# Altium PCB volt_sensor_breakout.PcbDoc (part 2 of 2) (continued)
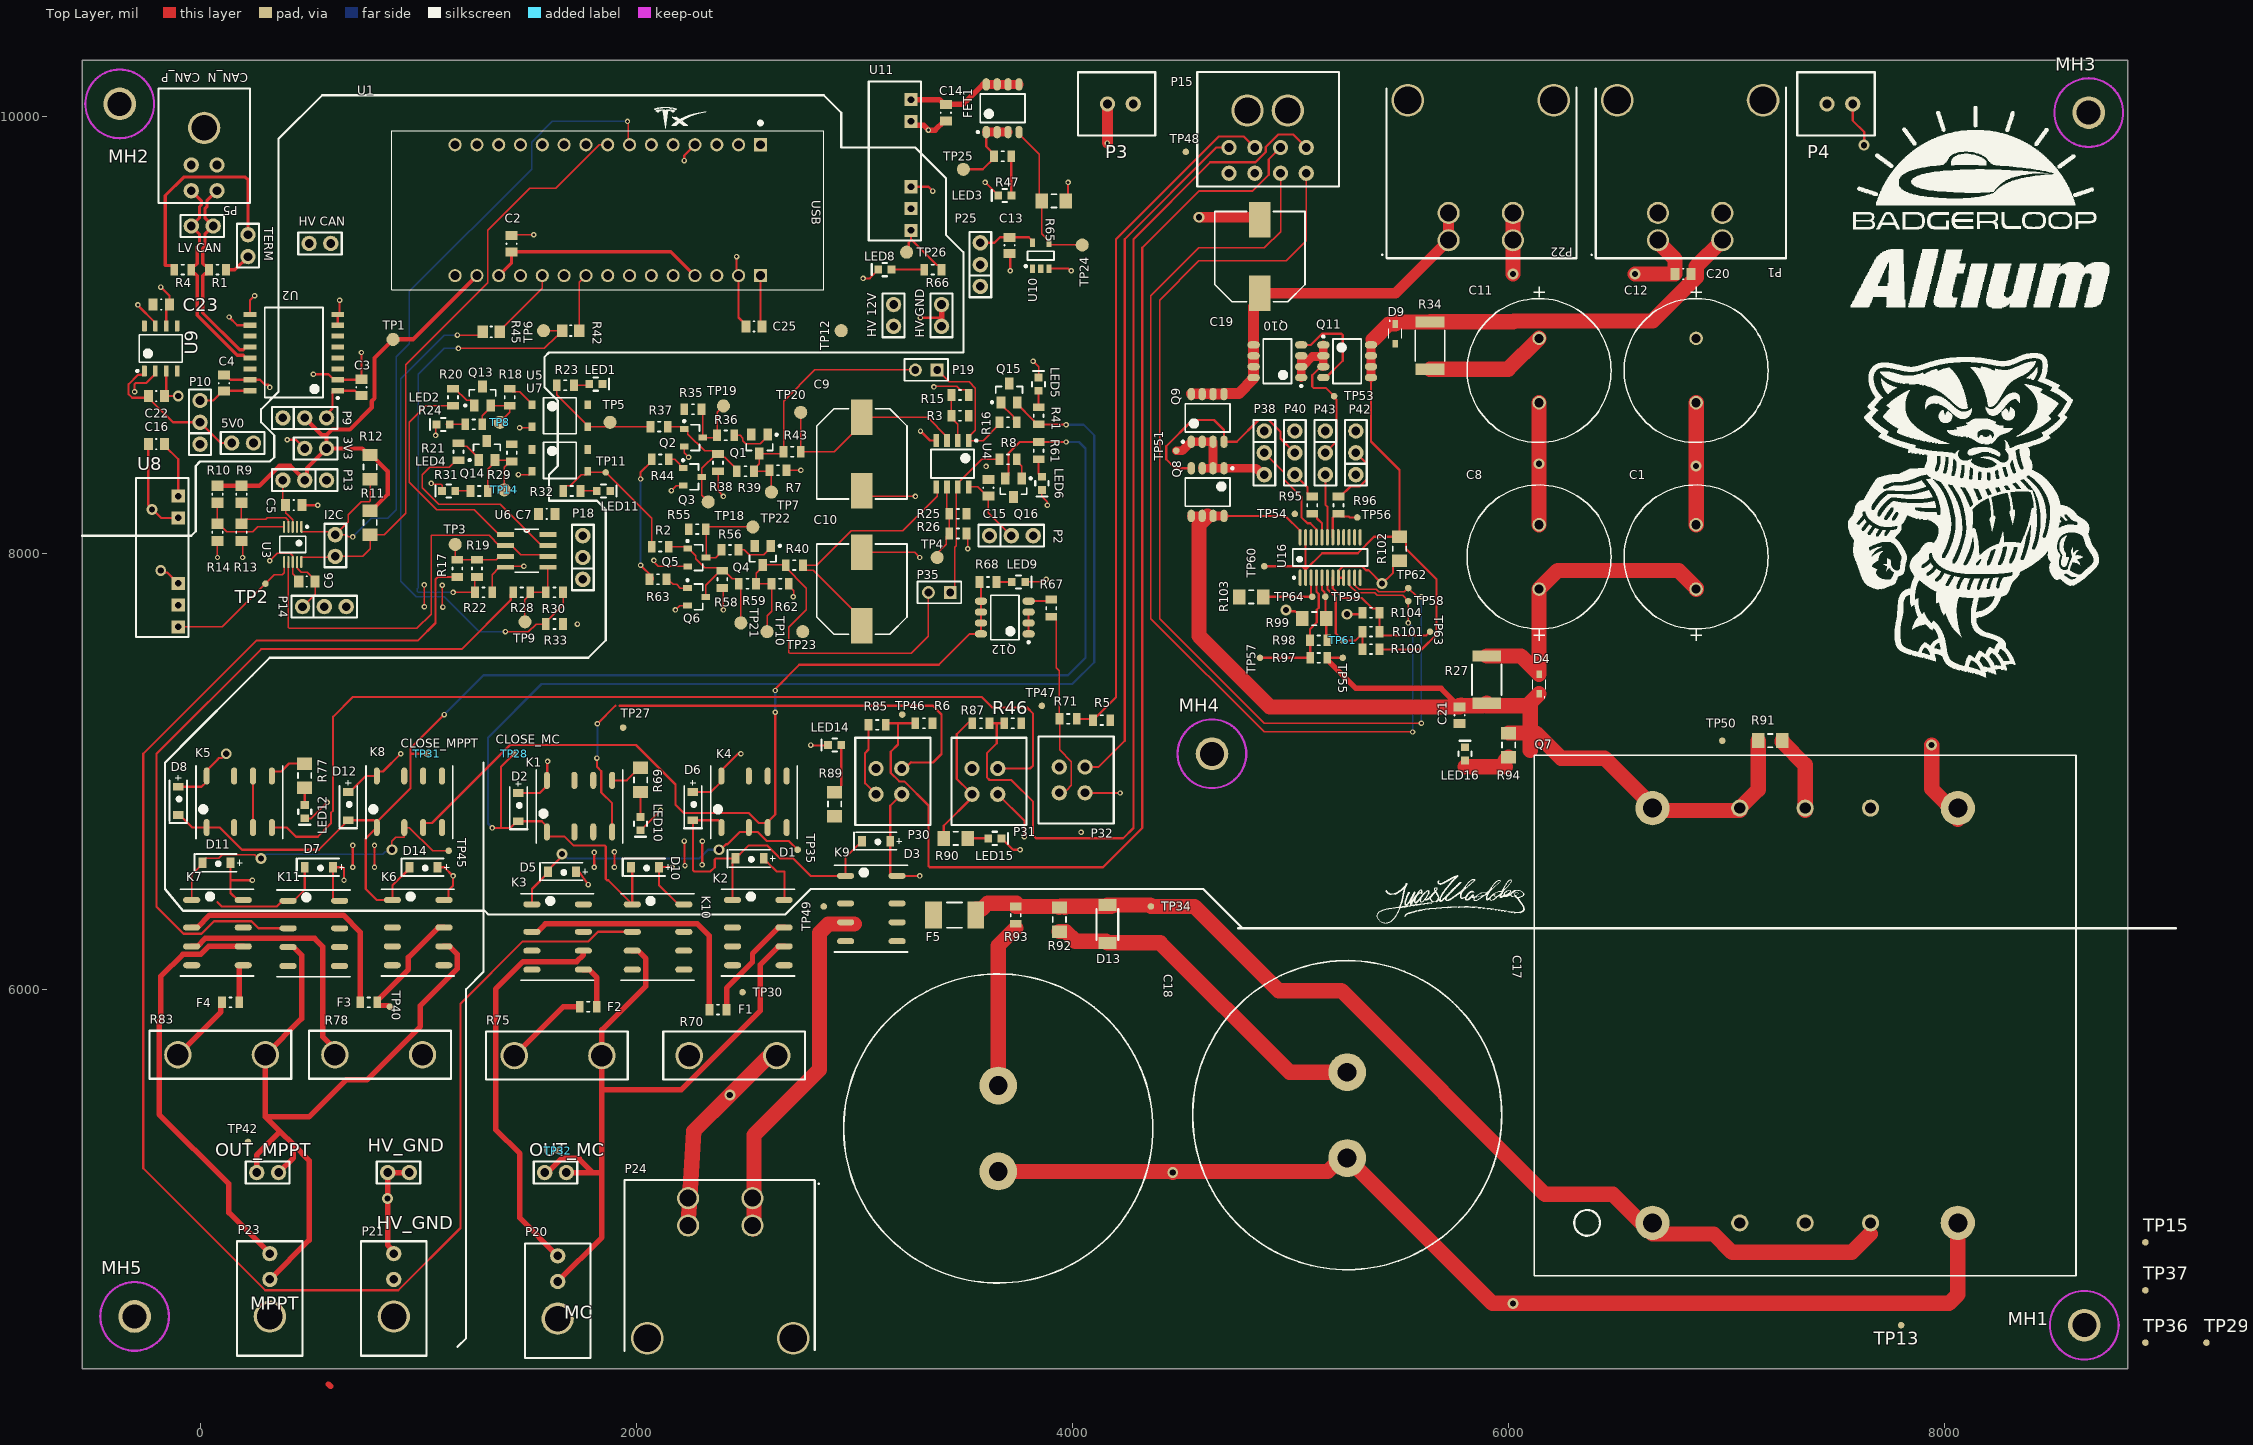
[diagram p0: Top Layer view]
## Nets (pads, with @x,y where several pads share a name; then routed paths per layer and width w, separated by ;. In a path a pad name is that pad's centre, name@x,y a point inside that pad or via, vN(x,y) a via of type N, cw(c..) or ccw(c..) an arc to the next point about the centre after c; other vN are vias at no path point) (continued)
  Top Layer w25: U11.2@3260,9980 3277.5,9962.5 3317.5,9962.5 v1(3340,9940) 3370.51,9940 3413.11,9982.6 C14.2@3420,9982.6
  Top Layer w50: v1@4160.47,9880.47 P3.1@4160.47,10059.53 ; v2(4580,9540) C19.2@4867.48,9540
  Top Layer w70: v2(6020,9280) P22.1@6020,9434.8 P22.1@6020,9560 ; C8.2@6140,8130.28 v2(6140,8410) C11.2@6140,8689.72 ; v2(6580,9280) C20.2@6762.6,9280 6762.6,9348.66 6685,9426.26 P1.2@6685,9434.8 ; C1.2@6860,8130.28 v2(6860,8400) C12.2@6860,8689.72 ; v2(7940,7120) 7940,6919.85 8060,6799.85 Q7.6@8060,6780
  other v1: 2111.44,6821.3 2800,7120 2720,7800 2081.32,7966.68 3520,8020 3604.45,8397.99
  other v2: -220,8200
MC_CONT_DR: K1.4 P30.4 TP27.1 TP46.1 | length 2536.6
  Top Layer w10: v1(1820,7060) 1820,7020 1840,7000 1840,6902.6 1889.61,6852.99 K1.4@1889.61,6721.89 ; v1(1822.14,7217.86) 1904.27,7300 ; 1924.27,7300 3360,7300 3400,7260 3400,7079.16 3360.84,7040 3260,7040 ; P30.4@3217.52,7023.8 P30.4@3217.52,7012.62 3231.77,7012.62 3260,7040.84
  Bottom Layer w10: v1(1820,7060) 1822.14,7062.14 v1(1822.14,7217.86)
MC_CONT_TELEM: P15.3 R6.1 R85.2 | length 5475.2
  Top Layer w10: R85.2@3144.23,7212.35 3151.89,7220 3200,7220 ; R6.1@3280,7220 3200,7220 ; P15.3@4954.51,9860 4900.12,9805.61 4900.12,9734.9 4825.22,9660 4580,9660 4320,9400 4320,6740 4140,6560 3345.86,6560 3340,6565.86 3340,6842.84 3229.23,6953.62 3205.81,6953.62 3167.52,6991.91 3167.52,7089.71 3200,7122.19 3200,7220
MPPT_CONT_DR: K5.4 P31.4 TP47.1 | length 4508.1
  Top Layer w10: K5.4@329.61,6741.89 398.11,6741.89 440,6700 540,6700 600,6760 600,6809.26 610.19,6819.45 610.19,7250.19 700,7340 3584.87,7340 3632.44,7292.44 3791.81,7292.44 3820,7264.24 3820,7026.58 3806.03,7012.62 P31.4@3658,7012.62 ; P31.4@3644.86,7030.35 3648.01,7030.35 P31.4@3658,7040.33
MPPT_CONT_TELEM: P15.4 R46.1 R87.2 | length 4961.6
  Top Layer w10: R87.2@3620,7220 3653.55,7220 ; R46.1@3687.1,7220 3653.55,7220 ; P15.4@5072.51,9860 5012.51,9920 4943.8,9920 4886.51,9862.71 4886.51,9839.29 4839.22,9792 4632,9792 4280,9440 4280,6740 4232.5,6692.5 3833.36,6692.5 3820,6705.86 3820,6860 3720,6960 3620,6960 3608,6972 3608,7083.18 3653.55,7128.73 3653.55,7220
MPS_CLOSE_MC: D1.2 D2.2 D3.2 D6.2 D10.2 K1.1 K2.1 K4.1 K9.1 K10.1 Q15.2 R41.2 TP28.1 TP29.1 TP36.1 U10.1 | length 7909.3
  Top Layer w10: v1(1340,6740) 1380,6740 ; TP28.1@1440,7080 1380,7020 1380,6740 ; D10.2@1975.43,6560 1981.89,6553.54 K10.1@1981.89,6389.61 1871.5,6500 1865.86,6500 1860,6505.86 1860,6654.14 1854.14,6660 1711.98,6660 1670.68,6701.3 1598.5,6701.3 1590.39,6709.41 K1.1@1590.39,6721.89 1590.39,6747.48 1567.01,6770.87 D2.2@1460,6770.87 1453.9,6770.87 1423.03,6740 1380,6740 ; K4.1@2390.39,6716.3 K4.1@2390.39,6741.89 2390.39,6762.73 2377.69,6775.43 D6.2@2260,6775.43 2260,6545.86 2265.86,6540 2340,6540 2360,6560 2360,6594.14 2365.86,6600 D1.2@2455.43,6600 ; K2.1@2441.89,6409.61 2441.89,6580.35 2455.43,6593.9 D1.2@2455.43,6600 ; 2960,6598.46 K9.1@2960,6520 2800,6520 2720,6600 2660,6600 2600,6660 2515.43,6660 2474.45,6619.02 2468.35,6619.02 2455.43,6606.1 D1.2@2455.43,6600 ; 2964.86,6610.81 3040.3,6686.24 D3.2@3040.3,6692.35 ; Q15.2@3747.4,8691.69 3747.4,8683.82 3823.43,8607.8 3823.43,8603.35 3836.14,8590.63 R41.2@3845,8590.63 3968.89,8590.63 v1(3971,8588.52) v1@3971.59,8587.92 ; U10.1@3817.6,9297.07 U10.1@3817.6,9304.94
  Bottom Layer w10: v1(1340,6740) 1320,6760 1320,7154.14 1565.86,7400 4000,7400 4100,7500 4100,8540 4051.48,8588.52 v1(3971,8588.52)
MPS_CLOSE_MPPT: D7.2 D8.2 D12.2 D14.2 K5.1 K6.1 K8.1 K11.1 Q16.2 R61.2 TP31.1 TP37.1 U10.2 | length 7470.6
  Top Layer w10: D8.2@-100,6800 -93.9,6800 -35.79,6741.89 K5.1@30.39,6741.89 90.09,6741.89 191.98,6640 544.57,6640 D12.2@680,6775.43 797.69,6775.43 K8.1@810.39,6762.73 ; 80,6400 100,6380 352.2,6380 378.19,6405.98 K11.1@403.78,6405.98 429.37,6405.98 480,6456.61 D7.2@480,6560 480,6566.1 D7.2@467.09,6579.02 ; D14.2@960,6560 960,6553.9 881.89,6475.79 K6.1@881.89,6409.61 810.39,6409.61 760,6460 760,6691.5 K8.1@810.39,6741.89 K8.1@810.39,6762.73 ; 965.09,7080.51 965.44,7080.16 ; TP31.1@1040,7080 965.6,7080 965.44,7080.16 ; v1(1120,7260) 965.44,7105.44 965.44,7080.16 ; Q16.2@3692.6,8343.31 3707.28,8357.99 3707.28,8458.42 3758.24,8509.37 R61.2@3845,8509.37 3970.78,8509.37 v1(3971.01,8509.6) ; K8.1@810.39,6762.73 810.39,6767.48 965.44,6922.53 965.44,7080.16
  Bottom Layer w10: v1(1120,7260) 1300,7440 3980,7440 4060,7520 4060,8480 4030.4,8509.6 v1(3971.01,8509.6)
MPS_EN: K4.3 K8.3 Q12.5 Q12.6 Q12.7 Q12.8 R68.2 | length 3886.7
  Top Layer w10: K8.3@1022.99,6741.89 1022.99,6754.37 1031.1,6762.48 1063.91,6762.48 1421.43,7120 1999.32,7120 2180,6939.32 2180,6845.86 2217.51,6808.35 2516.21,6808.35 2562.08,6762.48 2594.88,6762.48 K4.3@2602.99,6754.37 ; K4.3@2602.99,6741.89 K4.3@2602.99,6754.37 ; v1@2633.86,7373.86 2747.89,7487.89 3387.89,7487.89 3529.88,7629.88 Q12.8@3580.87,7629.88 Q12.7@3580.87,7679.88 Q12.6@3580.87,7729.88 Q12.5@3580.87,7779.88 3580.87,7860.51 R68.2@3573.56,7867.82 ; v1(2637.59,7270.13) 2637.59,6802.08 2602.99,6767.48 K4.3@2602.99,6754.37
  Bottom Layer w10: v1(2637.59,7270.13) v1(2637.59,7370.13)
NetC1_1: C1.1 C8.1 D4.1 R27.1 | length 1457.5
  Top Layer w70: R27.1@5900,7528.31 6056.97,7528.31 D4.1@6140,7445.28 C8.1@6140,7835 6225,7920 6780,7920 6860,7840 C1.1@6860,7835
NetC3_1: C3.1 P9.3 U2.1 | length 274.4
  Top Layer w10: P9.3@580,8620 580,8636.47 607.05,8663.52 607.05,8738.19 613.86,8745 U2.1@631.57,8745 710.71,8745 733.11,8722.6 C3.1@740,8722.6
NetC4_1: C4.1 P10.3 U2.16 | length 247.1
  Top Layer w10: P10.3@0,8700 60.51,8700 103.11,8742.6 C4.1@110,8742.6 112.4,8745 U2.16@228.43,8745
NetC5_1: C5.1 P13.3 U3.3 | length 232.8
  Top Layer w6: P13.3@380,8335 380,8232.6 C5.1@392.6,8220 392.6,8183.44 398.77,8177.27 399.68,8177.27 424.26,8152.68 U3.3@424.26,8121.03
NetC6_1: C6.1 P14.1 U3.9 | length 274
  Top Layer w6: U3.9@444.69,7959.29 445.42,7958.56 445.42,7930.26 463.27,7912.41 491.88,7912.41 528.29,7876 C6.1@528.81,7876 ; P14.1@470,7755 527.4,7812.4 C6.1@527.4,7870
NetC7_2: C7.2 P18.3 U6.8
NetC9_1: C9.1 R7.1 TP20.1 U4.3 | length 992.2
  Top Layer w6: TP20.1@2754.37,8645.63 R7.1@2754.37,8465 2909.17,8465 3048.43,8604.26 C9.1@3048.43,8619.34 ; C9.1@3035,8623.31 3335.71,8623.31 3425,8534.02 U4.3@3425,8516.3
NetC10_1: C10.1 R40.1 TP23.1 U4.5 | length 1202
  Top Layer w6: C10.1@3035,7666.69 3035,7699.17 2812.75,7921.43 2779.09,7921.43 2764.37,7936.14 R40.1@2764.37,7945 2827.4,7945 2984.9,8102.5 3222.5,8102.5 3380,8260 3380,8298.7 U4.5@3375,8303.7
NetC11_1: C11.1 C12.1 D9.1 R34.1 | length 558.7
  Top Layer w70: R34.1@5640,8843.39 5998.39,8843.39 C11.1@6140,8985
NetC13_2: C13.2 P25.3 U10.5 | length 265.2
  Top Layer w10: P25.3@3578,9423 3643,9423 3668.4,9448.4 C13.2@3712,9448.4 3800.13,9448.4 3817.6,9430.93 U10.5@3817.6,9423.06
NetC15_1: C15.1 P2.2 U4.8 | length 333.1
  Top Layer w6: U4.8@3525,8303.7 3567.01,8303.7 3608.11,8262.6 C15.1@3615,8262.6 3615,8185 P2.2@3720,8080
NetC17_1: C17.1 D13.1 R92.1 | length 1587.8
  Top Layer w70: R92.1@3940,6264.88 3969.61,6264.88 4013.66,6220.83 4153.66,6220.83 4160,6214.49 D13.1@4160,6213.39 4402.51,6213.39 4995.9,5620 C17.1@5260,5620
NetC18_1: C18.1 R93.1 | length 754.4
  Top Layer w70: C18.1@3660,5558.74 3660,6200 3740,6280
NetD5_2: D5.2 K3.1 K4.2 TP35.1 | length 1479
  Top Layer w10: K3.1@1521.89,6389.61 1521.89,6460.35 1595.43,6533.9 D5.2@1595.43,6540 1595.43,6546.1 1660,6610.67 v2(1660,6620) ; v2(2380,6640) 2386,6640 2411.29,6665.28 2418.36,6665.28 2474.37,6721.3 2508.27,6721.3 K4.2@2516.38,6729.41 ; K4.2@2516.38,6741.89 K4.2@2516.38,6729.41 ; TP35.1@2740,6640 2700,6680 2598.59,6680 2557.29,6721.3 2524.49,6721.3 K4.2@2516.38,6729.41
  Bottom Layer w10: v2(1660,6620) 1665.86,6620 1685.86,6600 2289.18,6600 2329.18,6640 v2(2380,6640)
NetD11_2: D11.2 K7.1 K8.2 TP45.1 | length 1497.6
  Top Layer w6: K7.1@-38.11,6409.61 -38.11,6524.92 10.87,6573.9 D11.2@10.87,6580 10.87,6586.1 25.78,6601.02 86.54,6601.02 102.54,6617.02 251.08,6617.02 268.09,6600 v2(280,6600) ; v2(880,6640) 880,6678 898.38,6696.38 936.38,6696.38 K8.2@936.38,6741.89 959.53,6741.89 1066.15,6635.27 TP45.1@1140,6635.27
  Bottom Layer w6: v2(280,6600) 283.11,6600 303.11,6620 836.89,6620 848.47,6631.58 871.58,6631.58 v2(880,6640)
NetD13_2: D13.2 F5.2 Q7.1 Q7.4 R92.2 R93.2 TP34.1 | length 4885.7
  Top Layer w70: F5.2@3556.65,6340 3556.65,6363.43 3560.24,6367.01 3583.66,6367.01 3611.83,6395.17 R93.2@3743.58,6395.17 ; R93.2@3740,6379.37 R92.2@3944.25,6379.37 ; R92.2@3940,6375.12 R92.2@3944.25,6379.37 ; R92.2@3964.88,6375.49 3961,6379.37 R92.2@3944.25,6379.37 ; D13.2@4160,6386.61 4356.38,6386.61 TP34.1@4360.94,6382.05 ; D13.2@4178.42,6381.45 3946.33,6381.45 R92.2@3944.25,6379.37 ; TP34.1@4360,6380 4559.4,6380 4945.71,5993.69 5233.39,5993.69 6167.07,5060 6478.43,5060 6660,4878.43 6940.68,4878.43 7025.05,4794.06 7573.26,4794.06 7657.63,4878.43 7660,4878.43
NetF1_1: F1.1 K3.2 | length 1189.6
  Top Layer w25: K3.2@1521.89,6263.62 1547.48,6263.62 1583.86,6300 2280,6300 2320,6260 2320.89,6260 2335.54,6245.36 F1.1@2335.54,5907.08
NetF1_2: F1.2 K2.7 TP30.1 | length 500.8
  Top Layer w25: F1.2@2414.28,5907.08 2414.28,6005.89 2533.15,6124.76 2533.15,6164.26 2652.52,6283.62 K2.7@2678.11,6283.62
NetF2_1: F2.1 K3.5 | length 210.4
  Top Layer w25: K3.5@1758.11,6090.39 1783.01,6090.39 1819.37,6054.03 F2.1@1819.37,5920
NetF2_2: F2.2 R75.1 | length 392.1
  Top Layer w25: R75.1@1441.21,5696.28 1664.93,5920 F2.2@1740.63,5920
NetF3_1: F3.1 K7.2 | length 1150.3
  Top Layer w25: K7.2@-38.11,6283.62 -12.52,6283.62 43.86,6340 656.9,6340 734.06,6262.84 F3.1@734.06,5940
NetF3_2: F3.2 K6.7 TP40.1 | length 556.1
  Top Layer w25: TP40.1@870.35,5920 869,5920 863.08,5925.93 818.02,5925.93 812.8,5931.14 F3.2@812.8,5940 812.8,5948.86 955.02,6091.08 955.02,6146.13 1092.52,6283.62 K6.7@1118.11,6283.62
NetF4_1: F4.1 K7.5 | length 188.4
  Top Layer w25: F4.1@179.37,5940 179.37,6109.21 180.55,6110.39 K7.5@198.11,6110.39
NetF4_2: F4.2 R83.1 | length 323.8
  Top Layer w25: R83.1@-101.57,5700 95.41,5896.99 95.41,5934.78 F4.2@100.63,5940
NetF5_1: F5.1 K9.4
NetK1_5: K1.5 R69.1 | length 154
  Top Layer w10: K1.5@1889.61,6958.11 1957.09,6958.11 2014.09,7015.12 R69.1@2020,7015.12
NetK3_3: K3.3 R70.2
NetK5_5: K5.5 R77.1 | length 181.3
  Top Layer w10: K5.5@329.61,6978.11 329.61,6990.59 337.72,6998.7 371.75,6998.7 408.16,7035.12 R77.1@480,7035.12
NetK7_3: K7.3 R78.2 | length 1150.3
  Top Layer w25: K7.3@-38.11,6197.01 -12.52,6197.01 23.76,6233.29 525.36,6233.29 562.23,6196.41 562.23,5783.52 618.43,5727.33 R78.2@618.43,5700
NetLED1_1: LED1.1 R23.1 | length 72.2
  Top Layer w6: R23.1@1714.37,8770 1779.49,8770 LED1.1@1784.49,8775
NetLED2_1: LED2.1 R24.1 | length 90.1
  Top Layer w6: 1125.51,8590.37 R24.1@1215.63,8590.37
NetLED3_1: LED3.1 R47.1 | length 180.7
  Top Layer w10: R47.1@3719.37,9820 3719.37,9641.65 LED3.1@3721.02,9640
NetLED4_1: LED4.1 R31.1 | length 70.1
  Top Layer w6: LED4.1@1170.51,8285 R31.1@1240.63,8285
NetLED5_1: LED5.1 R41.1 | length 75.1
  Top Layer w10: R41.1@3845,8669.37 LED5.1@3845,8744.49
NetLED6_1: LED6.1 R61.1 | length 86.9
  Top Layer w10: R61.1@3845,8430.63 3845,8364.53 3859.02,8350.51 LED6.1@3860,8350.51
NetLED8_1: LED8.1 R66.1 | length 150.1
  Top Layer w10: LED8.1@3170.51,9300 R66.1@3320.63,9300
NetLED9_1: LED9.1 R68.1 | length 70.1
  Top Layer w10: R68.1@3652.3,7867.82 LED9.1@3722.42,7867.82
NetLED10_1: LED10.1 R69.2 | length 114.4
  Top Layer w10: LED10.1@2020,6790.51 R69.2@2020,6904.88
NetLED11_1: LED11.1 R32.1 | length 82.9
  Top Layer w6: R32.1@1744.37,8285 LED11.1@1819.49,8285 LED11.1@1827.24,8285
NetLED12_1: LED12.1 R77.2 | length 79.9
  Top Layer w10: LED12.1@480,6844.99 R77.2@480,6924.88
NetLED14_1: LED14.1 R89.2 | length 231.6
  Top Layer w10: R89.2@2909.49,6904.54 2915.39,6904.54 2938.94,6928.08 2938.94,6933.99 2940,6935.05 LED14.1@2940,7120
NetLED15_1: LED15.1 R90.2 | length 94.4
  Top Layer w10: R90.2@3519.98,6692.35 LED15.1@3614.35,6692.35
NetLED16_1: LED16.1 R94.2 | length 214.7
  Top Layer w40: R94.2@6000,7064.88 R94.2@6005.91,7058.98
  Top Layer w70: 5800,7020 5984.61,7020 ; R94.2@5984.61,7049.49 R94.2@6000,7064.88
NetP19_1: P19.1 R16.2 U4.1 | length 643.1
  Top Layer w6: P19.1@3380,8840 3434.78,8785.22 3526.83,8785.22 3555.09,8756.96 3555.09,8564.1 3525,8534.02 U4.1@3525,8516.3 3590.79,8516.3 3665.63,8591.14 R16.2@3665.63,8600
NetP19_2: P19.2 Q1.3 R7.2 R39.1 R43.2 TP7.1 | length 1277.3
  Top Layer w6: R43.2@2600,8369.37 R43.2@2606.45,8375.82 ; TP7.1@2620,8280 R43.2@2620,8369.37 ; P19.2@3280,8840 2819.19,8840 2675.63,8696.44 R7.2@2675.63,8465 2667.32,8456.69 Q1.3@2565,8456.69 2565,8409.67 2540,8384.67 R39.1@2540,8375.82 R43.2@2606.45,8375.82 ; R43.2@2606.45,8375.82 R43.2@2610.63,8380 R43.2@2606.45,8375.82
NetP30_1: P30.1 R85.1 R89.1 | length 350.8
  Top Layer w10: R85.1@3065.49,7212.35 3065.49,7099.33 3049.52,7083.35 3049.52,6944.62 P30.1@3099.52,6894.62 P30.1@3093.82,6894.62
NetP31_1: P31.1 R87.1 R90.1 | length 659.8
  Top Layer w10: R90.1@3409.75,6692.35 3409.75,6749.75 3540,6880 P31.1@3540,6894.62 3524.57,6910.05 3470.11,6964.51 3470.11,7169.48 R87.1@3540.63,7240
NetP35_1: P35.1 R8.2 U4.7 | length 752
  Top Layer w6: P35.1@3435,7825 P35.1@3440,7820 ; P35.1@3460,7818.31 3460,8027.25 3466.35,8033.6 3466.35,8058.04 3466.35,8295.05 U4.7@3475,8303.7 3475,8321.42 3583.58,8430 R8.2@3665.63,8430
NetP35_2: P35.2 Q4.3 R40.2 R59.1 R62.2 TP10.1 | length 1853.9
  Top Layer w6: TP10.1@2600,7640 2600,7713.89 2620.63,7734.52 R62.2@2620.63,7860 R59.1@2549.37,7860 2549.37,7908.19 2580,7938.82 Q4.3@2580,7946.69 2683.94,7946.69 2683.94,7937.83 2718.29,7903.48 2720.04,7901.74 ccw(c2725.09,7904.97) 2722.47,7899.57 2730.09,7891.96 2730.09,7889.91 2780,7840 2780,7740 2700,7660 2700,7543.51 2703.51,7540 3260,7540 3340,7620 P35.2@3340,7820
NetP38_2: P38.2 U16.21 | length 494.2
  Top Layer w10: P38.2@4880,8460 4969.57,8370.43 4969.57,8339.11 5050,8258.68 5050,8165.13 5077.71,8137.42 5090.76,8137.42 5118.47,8109.71 5118.47,8073.24 U16.21@5119.19,8072.52
NetP38_3: P38.3 Q8.1 Q8.2 Q8.3 Q9.1 Q9.2 Q9.3 TP51.1 | length 607.4
  Top Layer w40: TP51.1@4476.2,8470 4504.25,8470 4536.46,8502.2 4541.73,8502.2 4545,8505.47 Q9.1@4545,8510.75 Q9.2@4595,8510.75 Q9.3@4645,8510.75 Q8.2@4645,8389.25 ; Q8.3@4595,8389.25 Q8.2@4645,8389.25 ; P38.3@4880,8360 4871.65,8360 4842.4,8389.25 Q8.1@4695,8389.25 Q8.2@4645,8389.25
NetP40_2: P40.2 Q8.4 Q9.4 | length 1026.8
  Top Layer w10: Q8.4@4545,8389.25 4470.75,8389.25 4430,8430 4430,8490 4550.43,8610.43 4649.57,8610.43 4695,8565 Q9.4@4695,8510.75 4753.52,8510.75 4853.21,8610.43 4900.89,8610.43 4954.62,8556.7 4954.62,8525.38 P40.2@5020,8460
NetP40_3: P40.3 R95.2 | length 139
  Top Layer w10: P40.3@5020,8360 5078.43,8301.57 5078.43,8272.09 5091.14,8259.37 R95.2@5100,8259.37
NetP42_2: P42.2 R96.2 | length 303.8
  Top Layer w10: R96.2@5220,8259.37 5228.86,8259.37 5275.09,8305.6 5316.92,8305.6 5350.43,8339.11 5350.43,8409.57 5301.85,8458.15 P42.2@5300.73,8458.15
NetP42_3: P42.3 Q10.4 Q11.4 | length 451.8
  Top Layer w10: Q10.4@5050.9,8954.25 5093.31,8954.25 5144.92,9005.86 5234.14,9005.86 5240,9000 5240,8882.44 5162.56,8805 Q11.4@5150.75,8805
NetP43_2: P43.2 Q10.1 Q10.2 Q10.3 Q11.1 Q11.2 Q11.3 TP53.1 | length 844.8
  Top Layer w10: Q11.3@5150.75,8855 5138.94,8855 5100,8816.06 5100,8763.7 5105.86,8757.84 5162.16,8757.84 TP53.1@5200,8720 5200,8714.59 5210.43,8704.15 5210.43,8510.43 P43.2@5160,8460
  Top Layer w40: Q10.2@5048.78,8851.3 Q10.3@5048.78,8901.3 ; Q10.1@5049.25,8805 Q10.2@5049.25,8855 5054.53,8855 5101.26,8901.73 5147.48,8901.73 Q11.2@5150.75,8905 ; Q11.3@5150.75,8855 Q11.2@5150.75,8905 ; Q11.1@5150.75,8955 Q11.2@5150.75,8905
NetP43_3: P43.3 U16.19 | length 306.8
  Top Layer w10: P43.3@5160,8360 5160,8222.57 5169.19,8213.37 U16.19@5169.19,8072.52 5169.19,8058.24 U16.19@5170.06,8057.37
NetQ1_1: Q1.1 R36.1 | length 196.2
  Top Layer w6: R36.1@2449.37,8540 2476.09,8540 2489.31,8526.78 2489.31,8515.97 2502.53,8502.75 2569.72,8502.75 2602.4,8535.43 Q1.1@2602.4,8543.31
NetQ2_1: Q2.1 Q3.3 R37.2 R38.2 R39.2 TP18.1 | length 675.3
  Top Layer w6: R37.2@2144.37,8580 2210,8580 Q2.1@2220,8570 2225.91,8570 2236.69,8559.22 2236.69,8545.56 2313.16,8469.09 2360.28,8469.09 R38.2@2375,8454.37 ; TP18.1@2330,8235 2300,8265 Q3.3@2300,8350 2300,8388.23 2366.14,8454.37 R38.2@2375,8454.37 ; R39.2@2455.63,8380 2455.63,8388.86 2404.83,8439.65 2389.72,8439.65 R38.2@2375,8454.37
NetQ2_3: Q2.3 R35.1 R36.2 TP19.1 | length 350.3
  Top Layer w6: R35.1@2299.37,8660 2304.65,8654.72 Q2.3@2304.65,8529.45 2360.08,8529.45 R36.2@2370.63,8540 2370.63,8645.63 TP19.1@2400,8675
NetQ3_1: Q3.1 R44.1 | length 85.8
  Top Layer w6: R44.1@2149.37,8430 2175.91,8430 2198.67,8407.24 2198.67,8401.33 2209.45,8390.55 Q3.1@2215.35,8390.55
NetQ4_1: Q4.1 R56.1 | length 179.1
  Top Layer w6: R56.1@2469.37,8015 2496.09,8015 2506.81,8004.28 2506.81,8003.47 2517.53,7992.75 2584.72,7992.75 2617.4,8025.43 Q4.1@2617.4,8033.31
NetQ5_1: Q5.1 Q6.3 R2.2 R58.2 R59.2 TP21.1 | length 745.1
  Top Layer w6: R2.2@2149.37,8030 2225.91,8030 Q5.1@2235.35,8020.55 2241.26,8020.55 2273.48,7988.33 2273.48,7974.67 2314.06,7934.09 2380.28,7934.09 R58.2@2395,7919.37 ; Q6.3@2319.65,7799.45 2319.65,7852.87 2386.14,7919.37 R58.2@2395,7919.37 ; TP21.1@2480,7680 2480,7850.63 R59.2@2470.63,7860 2470.63,7868.86 2455.91,7883.57 2439.65,7883.57 2403.86,7919.37 R58.2@2395,7919.37
NetQ5_3: Q5.3 R55.1 R56.2 TP22.1 | length 440.3
  Top Layer w6: R56.2@2390.63,8015 2390.63,8006.14 2364.49,7980 Q5.3@2320,7980 2320,8109.37 R55.1@2319.37,8110 2329.37,8120 TP22.1@2535,8120
NetQ6_1: Q6.1 R63.1 | length 102.4
  Top Layer w6: R63.1@2154.37,7880 2154.37,7871.14 2169.09,7856.43 2185.49,7856.43 2201.91,7840 Q6.1@2235,7840
NetQ7_8: Q7.8 R91.1 | length 363.4
  Top Layer w70: R91.1@7255.12,7140 7255.12,7134.09 7360,7029.21 Q7.8@7360,6820
NetQ12_4: Q12.4 R67.1 | length 113.7
  Top Layer w6: R67.1@3900,7800 R67.1@3905,7795
  Top Layer w10: Q12.4@3799.37,7779.88 3895.63,7779.88 R67.1@3902.93,7787.19
NetQ13_1: Q13.1 R20.1 | length 134.4
  Top Layer w6: R20.1@1160,8754.37 1168.86,8754.37 1221.98,8701.25 1240.91,8701.25 1257.6,8684.57 Q13.1@1257.6,8676.69
NetQ14_1: Q14.1 R21.1 | length 129.4
  Top Layer w6: R21.1@1185,8504.37 1199.72,8489.65 1222.51,8489.65 1277.6,8434.57 Q14.1@1277.6,8426.69
NetR1_1: R1.1 TERM.2 | length 125.5
  Top Layer w15: R1.1@119.37,9300 160,9300 TERM.2@220,9360
NetR3_2: R3.2 R15.1 U4.2 | length 220.9
  Top Layer w6: R15.1@3445.63,8725 R3.2@3445.63,8630 3445.63,8621.14 3475,8591.77 U4.2@3475,8516.3
NetR4_1: R4.1 TERM.1 | length 1046.2
  Top Layer w15: R4.1@-117.18,9300.9 -117.18,9307.3 -128.96,9319.07 -159.07,9319.07 -160,9320 -160,9640 -75.5,9724.5 206.71,9724.5 220,9711.21 TERM.1@220,9460
NetR9_1: R9.1 R13.2 U3.4 | length 337.8
  Top Layer w6: R9.1@190.63,8230 R9.1@190,8230.63 R13.2@190,8134.37 210.62,8154.99 301.16,8154.99 307.44,8161.27 393.05,8161.27 404.58,8149.74 404.58,8141.03 U3.4@403.55,8140
NetR10_1: R10.1 R14.2 U3.5 | length 426.6
  Top Layer w6: R10.1@80,8230.63 R14.2@80,8134.37 84.92,8134.37 121.54,8097.75 241.22,8097.75 264.18,8120.71 U3.5@385.63,8120.71
NetR17_1: R17.1 R19.2 TP3.1 U6.3 | length 302.2
  Top Layer w6: TP3.1@1170,8040 1170,7979.37 R17.1@1180,7969.37 R19.2@1270,7969.37 1357.37,7969.37 1373,7985 U6.3@1401,7985
NetR20_2: R20.2 U6.1 | length 1046.9
  Top Layer w6: R20.2@1160,8675.63 1035.63,8675.63 960,8600 960,8324.64 1084.64,8200 1258,8200 1373,8085 U6.1@1401,8085
NetR21_2: R21.2 U6.7 | length 937
  Top Layer w6: R21.2@1185,8425.63 1176.14,8425.63 1143.58,8393.07 1053.07,8393.07 1020,8360 1020,8300 1095,8225 1377,8225 1567,8035 U6.7@1595,8035
NetR25_2: R25.2 R26.1 TP4.1 U4.6 | length 359.4
  Top Layer w6: TP4.1@3360,7980 3420.91,8040.91 3420.91,8075.28 R26.1@3435.63,8090 R25.2@3435.63,8180 3425,8190.63 U4.6@3425,8303.7
NetR28_1: R28.1 R30.2 TP9.1 U6.5 | length 335.2
  Top Layer w6: TP9.1@1490,7685 1490,7786.77 1514.37,7811.14 R28.1@1514.37,7820 R30.2@1585.63,7820 1595,7829.37 U6.5@1595,7935
NetR42_2: R42.2 U1.4.9 | length 265
  Top Layer w6: R42.2@1739.37,9020 1739.37,9242.6 U1.4.9@1769.37,9272.6
NetR45_2: R45.2 U1.4.11 | length 338.4
  Top Layer w6: R45.2@1374.37,9015 1374.37,9019.92 1569.37,9214.92 U1.4.11@1569.37,9272.6
NetR95_1: R95.1 TP54.1 U16.20 | length 109.2
  Top Layer w10: R95.1@5100,8180.63 5108.86,8180.63 5121.57,8167.91 5121.57,8159.06 5144.19,8136.44 U16.20@5144.19,8094.91
NetR96_1: R96.1 TP56.1 U16.18 | length 215
  Top Layer w10: U16.18@5194.19,8072.52 5194.19,8163.68 5209.46,8178.94 R96.1@5218.17,8178.94 ; R96.1@5220,8180.63 5232.72,8167.91 5267.41,8167.91 5271.53,8163.8 TP56.1@5306.61,8163.8
NetR97_2: R97.2 R98.2 TP57.1 U16.4 | length 619.3
  Top Layer w10: TP57.1@4860,7520 R97.2@5090.35,7520 5090.35,7599.37 R98.2@5089.72,7600 5089.72,7651.54 5120.67,7682.49 5120.67,7740.66 5130,7749.99 5130,7812.43 5119.19,7823.23 U16.4@5119.19,7887.48
NetR98_1: R98.1 R99.2 TP59.1 U16.5 | length 297.5
  Top Layer w10: U16.5@5144.19,7887.48 5144.19,7832.46 5156.17,7820.48 5156.17,7803.83 TP59.1@5160,7800 5160,7704.21 R99.2@5164.21,7700 5164.21,7604.25 R98.1@5168.46,7600
NetR100_2: R100.2 R101.2 TP61.1 U16.6 | length 499.4
  Top Layer w10: U16.6@5169.19,7887.48 5169.86,7886.82 5169.86,7835.08 5207.76,7797.18 5207.76,7632.24 TP61.1@5240,7600 5298.58,7600 R101.2@5329.72,7631.14 ; R100.2@5329.72,7560 R101.2@5329.72,7631.14 ; R101.2@5329.72,7640 R101.2@5329.72,7631.14
NetR101_1: R101.1 R104.2 TP63.1 U16.7 | length 647.5
  Top Layer w10: U16.7@5194.19,7887.48 5194.19,7839.03 5239.5,7793.72 5328.29,7793.72 5376.51,7745.5 5395.75,7745.5 5408.46,7732.79 5408.46,7635.8 5421.18,7623.08 5623.08,7623.08 TP63.1@5640,7640
NetR103_2: R103.2 TP64.1 U16.3 | length 314.8
  Top Layer w10: R103.2@4875.12,7800 TP64.1@5100,7800 5100,7805.41 5094.19,7811.22 U16.3@5094.19,7887.48
OPTO_IN_MC: R18.2 U5.1 | length 135
  Top Layer w6: R18.2@1420,8754.37 1434.72,8739.65 1466.7,8739.65 1522.05,8684.31 U5.1@1522.05,8680.37
OPTO_IN_MPPT: R29.2 U7.1
PPC_DCDC_TELEM: P15.7 TP58.1 U16.10 | length 4823.3
  Top Layer w6: P15.7@4954.51,9742 4954.51,9474.51 4922.21,9442.21 4922.21,9441.23 4914.6,9433.61 4913.61,9433.61 4880,9400 4580,9400 4360,9180 4360,7700 4880,7180 v1(5560,7180) ; U16.10@5269.19,7887.48 5269.19,7854.86 5272.3,7851.75 5272.3,7850.73 5305.37,7817.66 5385.97,7817.66 5397.63,7806 5514,7806 TP58.1@5540,7780 v1(5540,7680)
  Bottom Layer w6: v1(5540,7680) 5560,7660 v1(5560,7180)
PPC_SUPP_TELEM: P15.8 TP62.1 U16.11 | length 4910.4
  Top Layer w6: P15.8@5072.51,9742 5072.51,9432.51 4980,9340 4580,9340 4400,9160 4400,7700 4880,7220 v1(5600,7220) ; U16.11@5294.19,7887.48 5294.19,7854.86 5299.3,7849.75 5299.3,7848.73 5314.37,7833.66 5392.6,7833.66 5404.26,7822 5522,7822 TP62.1@5540,7840 5578.5,7801.5 5598.5,7801.5 v1(5600,7800)
  Bottom Layer w6: v1(5600,7220) v1(5600,7800)
PRC_END_MC: R23.2 R37.1 TP5.1 U5.3 | length 536.4
  Top Layer w6: R23.2@1635.63,8770 1635.63,8726.63 1777.95,8584.31 U5.3@1777.95,8580.37 2065.26,8580.37 R37.1@2065.63,8580
PRC_END_MPPT: R2.1 R32.2 TP11.1 U7.3 | length 662
  Top Layer w6: R32.2@1665.63,8285 1665.63,8293.86 1680.35,8308.57 1697.72,8308.57 1747.83,8358.68 1772.01,8358.68 1783.32,8370 TP11.1@1860,8370 2070.63,8159.37 R2.1@2070.63,8030
V-POS5V: 5V0.2 C22.1 P10.2 U9.1 | length 726.2
  Top Layer w10: U9.1@-255,8835.38 -255,8823.55 -260.83,8817.73 -284.7,8817.73 -327.5,8774.93 -327.5,8728.61 -311.39,8712.5 -244.9,8712.5 C22.1@-237.4,8720 -237.4,8713.11 -124.29,8600 P10.2@0,8600 94.57,8505.43 144.57,8505.43 5V0.2@145,8505
VOLT_SENSE_MC: R19.1 R22.2 R42.1 TP6.1 | length 2173.2
  Top Layer w6: v1(1160,7820) R22.2@1260.63,7820 1260.63,7881.26 R19.1@1270,7890.63 R19.1@1261.14,7890.63 ; v1(1184.97,8938.72) 1579.35,8938.72 1635.09,8994.46 1640.01,8994.46 1660.63,9015.08 R42.1@1660.63,9020 TP6.1@1575,9020
  Bottom Layer w6: 996,7840 996,7824 1000,7820 v1(1160,7820) ; 1000,7840 1000,8820 1120,8940 v1@1180,8940
VOLT_SENSE_MPPT: R30.1 R33.2 R45.1 TP12.1 | length 2542.5
  Top Layer w6: v1(1028.09,7854.54) 1028.09,7755.04 v1(1028.84,7754.29) ; v1@1110.43,7755.59 v1(1110.43,7852.96) ; v1(1180,9000) 1285.55,9000 R45.1@1295.63,9010.08 ; v1(1400,7640) 1505.81,7640 1540.81,7675 R33.2@1585.63,7675 1585.63,7683.86 1664.37,7762.6 R30.1@1664.37,7820
  Bottom Layer w6: v1(1180,9000) 1120,9000 920,8800 920,7871.9 991.9,7800 1120,7800 1280,7640 v1(1400,7640)
  other v1: 1113.28,7752.74
pads on no net: K1.2 K1.7 K2.2 K2.3 K2.4 K2.5 K3.4 K3.7 K4.4 K4.5 K4.6 K4.7 K5.2 K5.7 K6.2 K6.3 K6.4 K6.5 K7.4 K7.7 K8.4 K8.5 K8.6 K8.7 K9.2 K9.5 K9.6 K9.7 K10.4 K10.5 K10.6 K10.7 K11.4 K11.5 K11.6 K11.7 MH1.1 MH2.1 MH3.1 MH4.1 MH5.1 P1. P2.1 P5.1 P5.2 P5.5 P9.1 P10.1 P13.1 P14.3 P15.5 P15.6 P15.9 P18.1 P20.3 P21.3 P22. P23.3 P24. P25.1 P38.1 P40.1 P42.1 P43.1 Q7.2 Q7.3 Q7.7 U1.3.1 U1.3.2 U1.3.3 U1.3.6 U1.3.9 U1.3.10 U1.3.11 U1.3.12 U1.3.14 U1.3.15 U1.4.3 U1.4.5 U1.4.6 U1.4.7 U1.4.8 U1.4.10 U1.4.12 U1.4.15 U2.4 U2.5 U2.11 U2.14 U8.6 U9.4 U9.5 U11.6 U16.1 U16.12 U16.14
copper on no net: | length 15.5
  Top Layer w25: 588.65,4190 598.65,4180 600,4180
  other v1: 4040,6720

## Polygon pours and split planes (outlines as drawn)
HV_GND on Bottom Layer (solid, pour order 43): 8460,4280 8480,4300 8480,6160 4420,6180 4420,6289.46 -100,6300 -180,6380 -180,7060 320,7560 540,7560 540,7580 1820,7580 1820,8140 1840,8160 1780,8220 1560,8220 1560,8940 3420,8940 3420,9680 3260,9840 2820,9840 2820,10080 580,10080 380,9846.67 380,8940 400,8940 380,8920 380,8400 0,8400 0,8080 -520,8080 -540,8060 -520,8040 -520,8020 -540,8020 -540,4880 -460,4800 -100,4800 -100,4260 -80,4280
LV_GND on Bottom Layer (solid, pour order 28): -540,8100 -160,8100 -160,8080 -40,8080 -20,8100 -20,8400 0,8420 100,8420 120,8440 106.48,8425.64 340,8446.14 340,8540 280,8600 280,8662.67 300,8680 340,8720 340,8740 360,8760 360,9880 343.64,9880 366.43,9926.43 540,10100 2940,10100 2947.4,9865.75 2953.15,9860 3420,9860 3420,9480 3514.3,9385.7 3516.67,8933.75 3500,8920 1900,8920 1900,7600 1840,7540 1840,7520 318.24,7499.98 -80.9,7100.83 -80.9,6355 2680.97,6355 2798.94,6472.97 2811.91,6460 3728.57,6472.97 4600,6460 4600,6479.81 4600.19,6479.81 4780,6300 4780,6280 8840,6280 8840,9560 8140,10260 3509.71,10260 -160,10260 -160,9880 -540,9880
LV_GND on Bottom Layer "LV_GND_L02_P008" (solid, pour order 8): 106.48,8425.64 314.36,8425.64 320,8420 335.38,8435.38 335.38,8444.62
LV_GND on Bottom Layer "LV_GND_L02_P006" (solid, pour order 6): 106.48,8425.64 112.12,8420 320,8420 340,8440 280,8500 280,8600 340,8540 340,8440 320,8420

## Silkscreen, mask and mechanical layers (free items; w line width, h text height)
Top Overlay:
  drawing of 113 lines, arcs and shapes, not listed
  text "CAN_P" at 0,10200 h40 r180
  text "CAN_N" at 220,10200 h40 r180
  text "CLOSE_MC" at 1356.72,7126.67 h40
  text "CLOSE_MPPT" at 919.73,7106.67 h40
  text "HV_GND" at 810,4900 h60
  text "MPPT" at 230,4530 h60
  text "MC" at 1670,4490 h60

## Dimensions
-540,10260 to 8840,10260 on Dimensions
-220,4800 to -540,10260 on Dimensions

## Text inside footprints (layer, text, board x,y; h text height)
U1: Top Overlay "USB" at 2804.37,9617.6 h40 r270
U6: Mechanical 13 "*" at 1378.5,8102 h50